# Altium PCB PCB1.PcbDoc
Units mm, origin at the board's own origin, x right, y up, seen from the top; angles counter-clockwise.
Board outline 129.99 x 106.33 mm, 2 copper layers (Top Layer, Bottom Layer), stack 1.561 mm thick; 77 components, 64 nets, 334 pads, 648 vias.
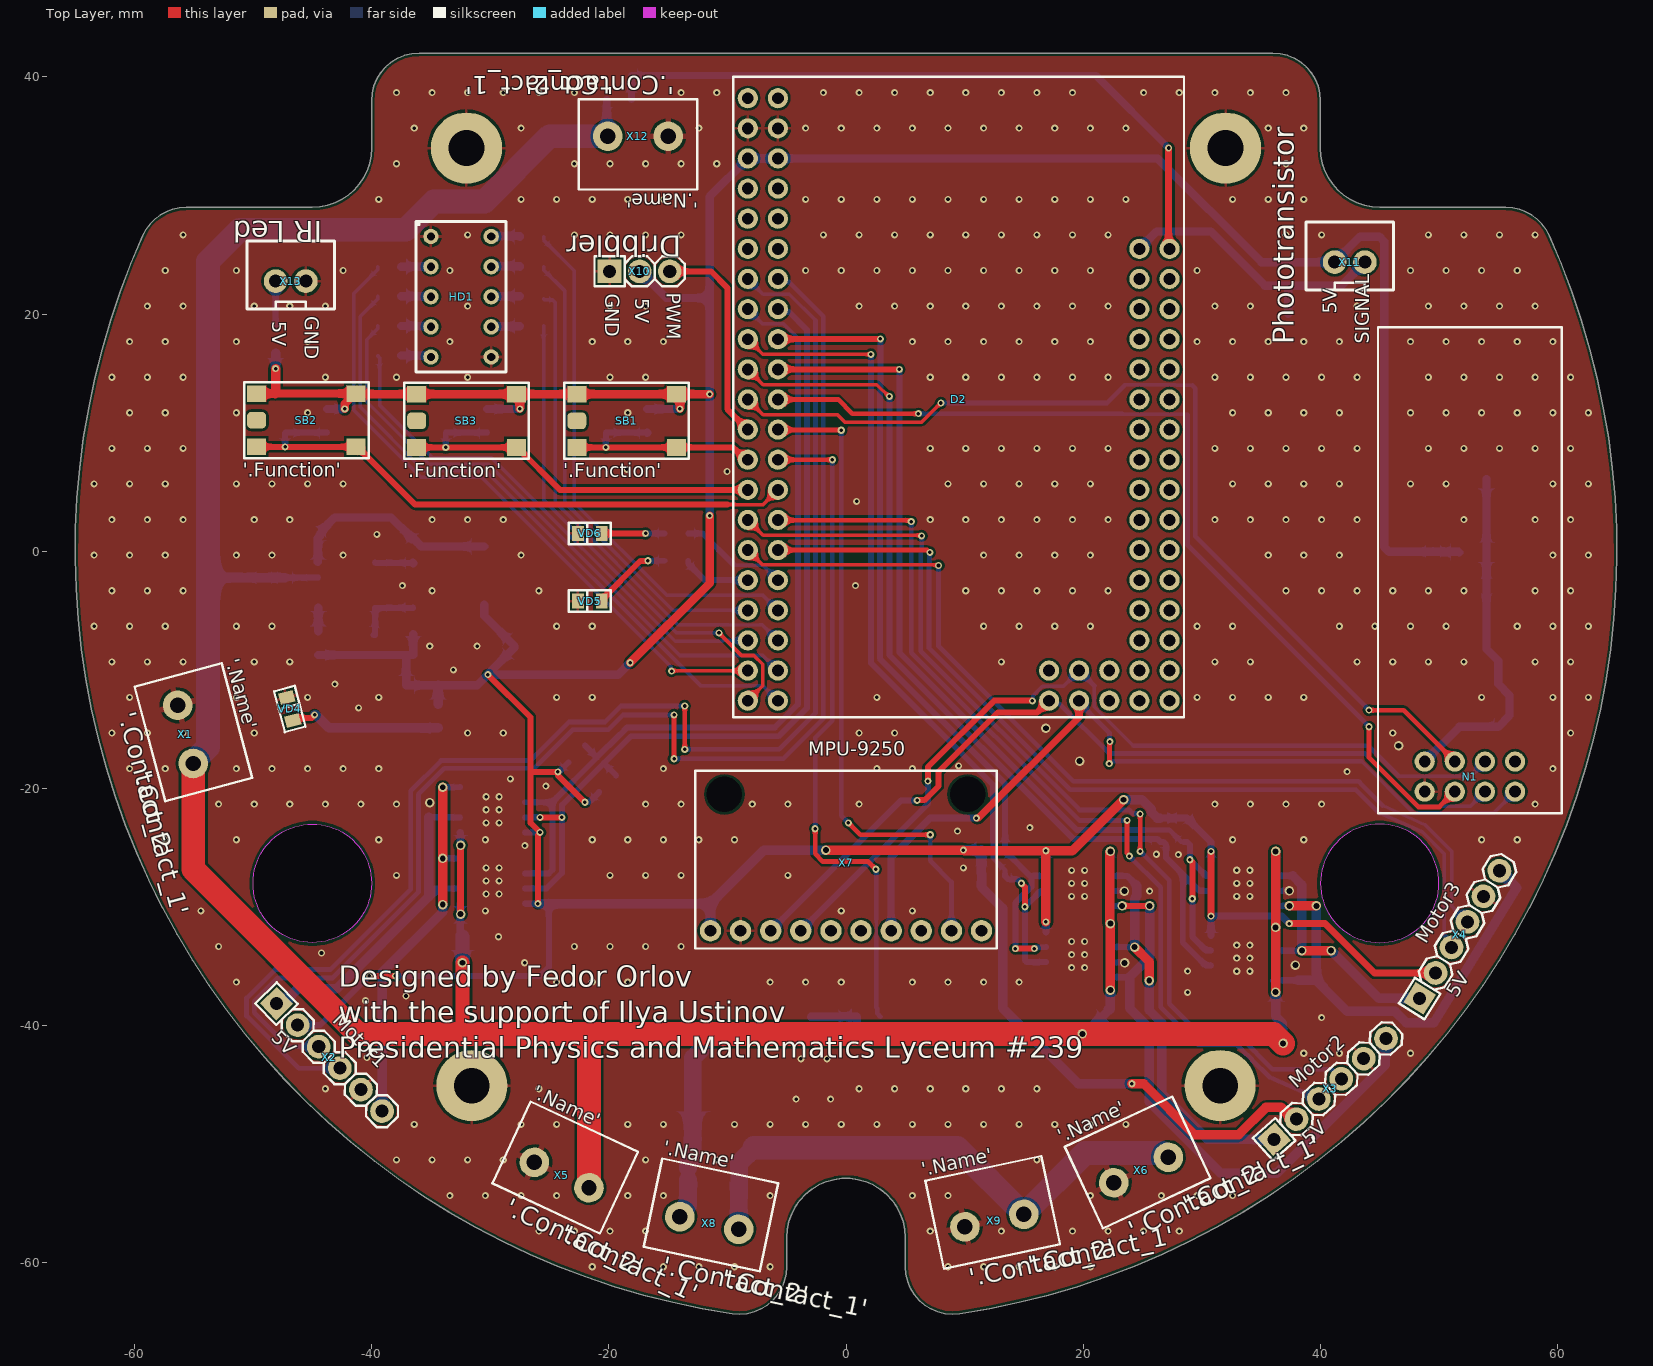
[diagram p0: Top Layer view]
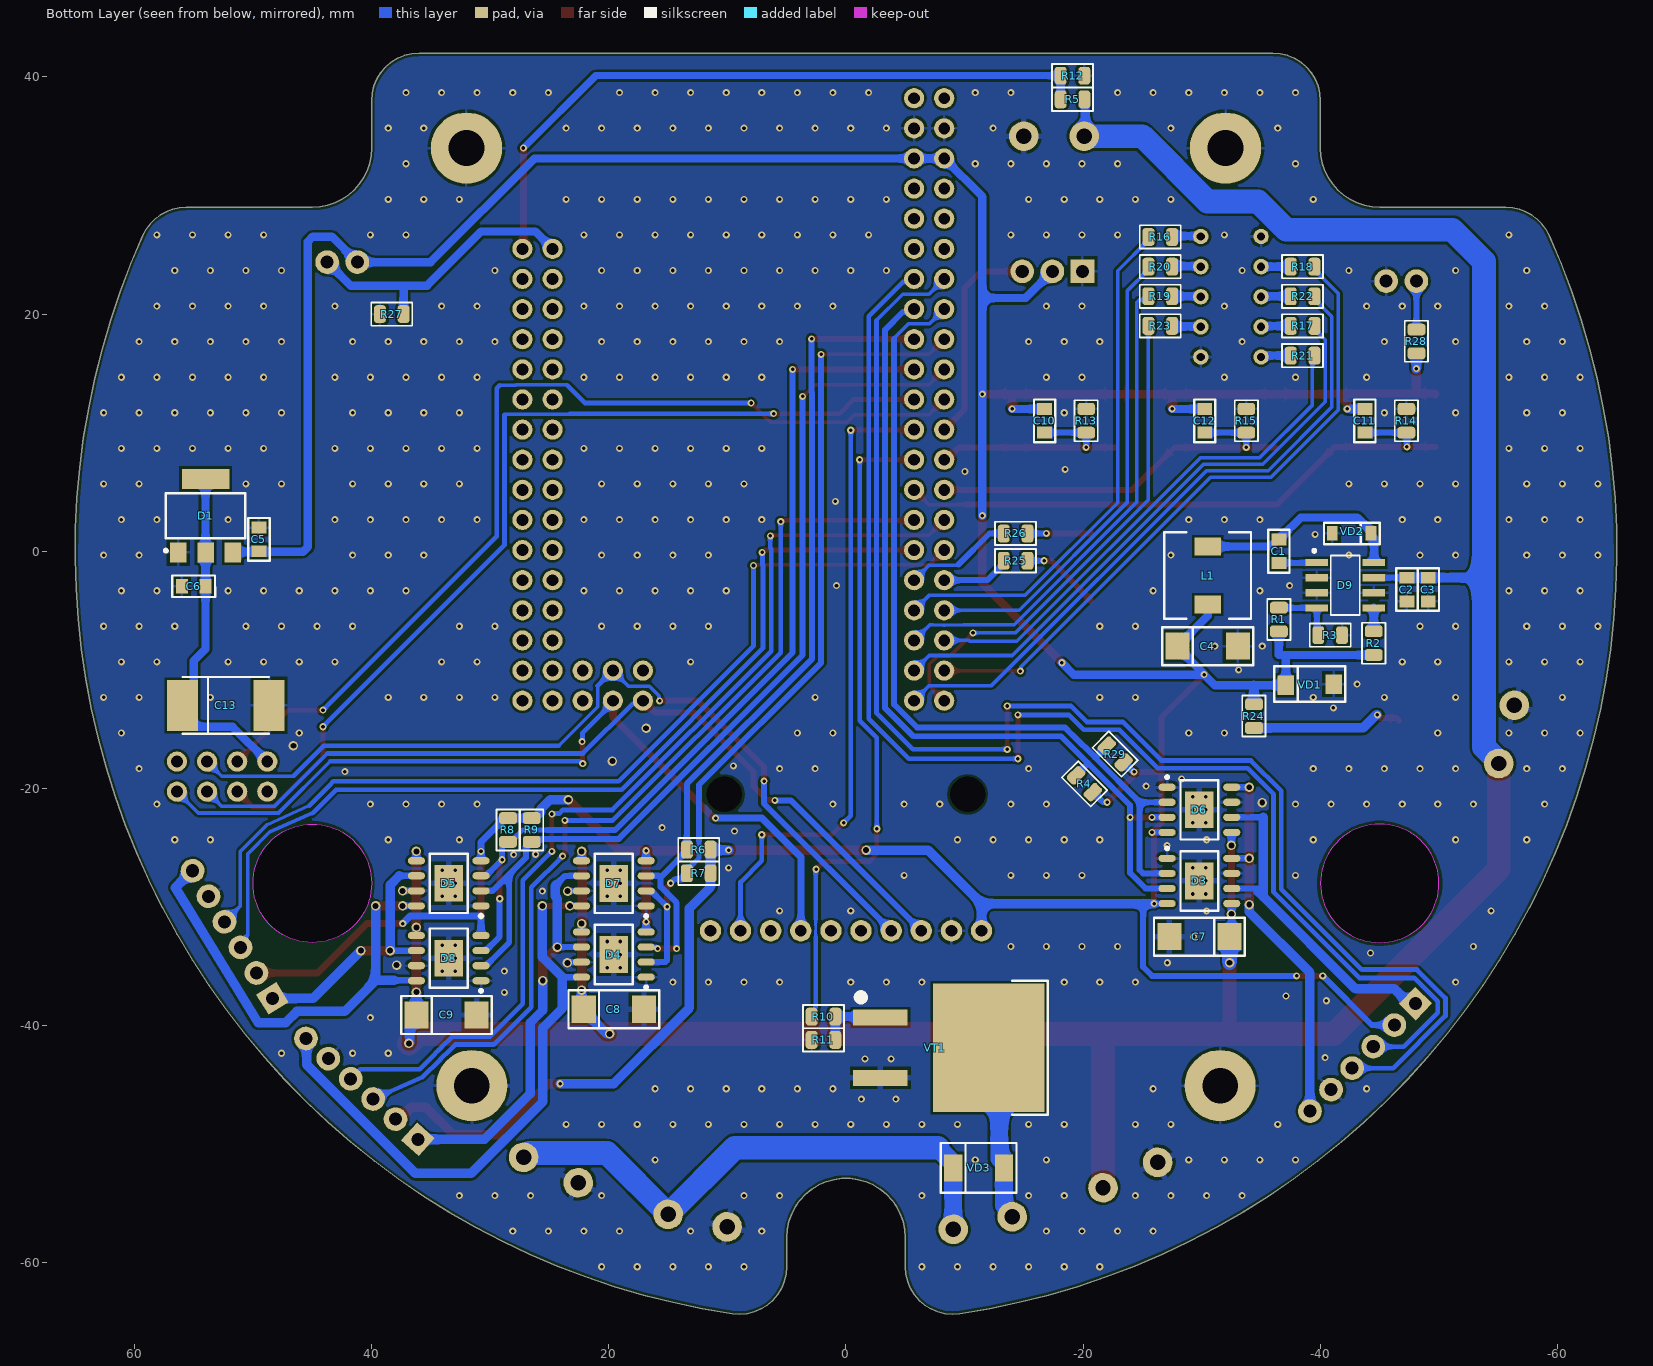
[diagram p1: Bottom Layer view, seen from below]
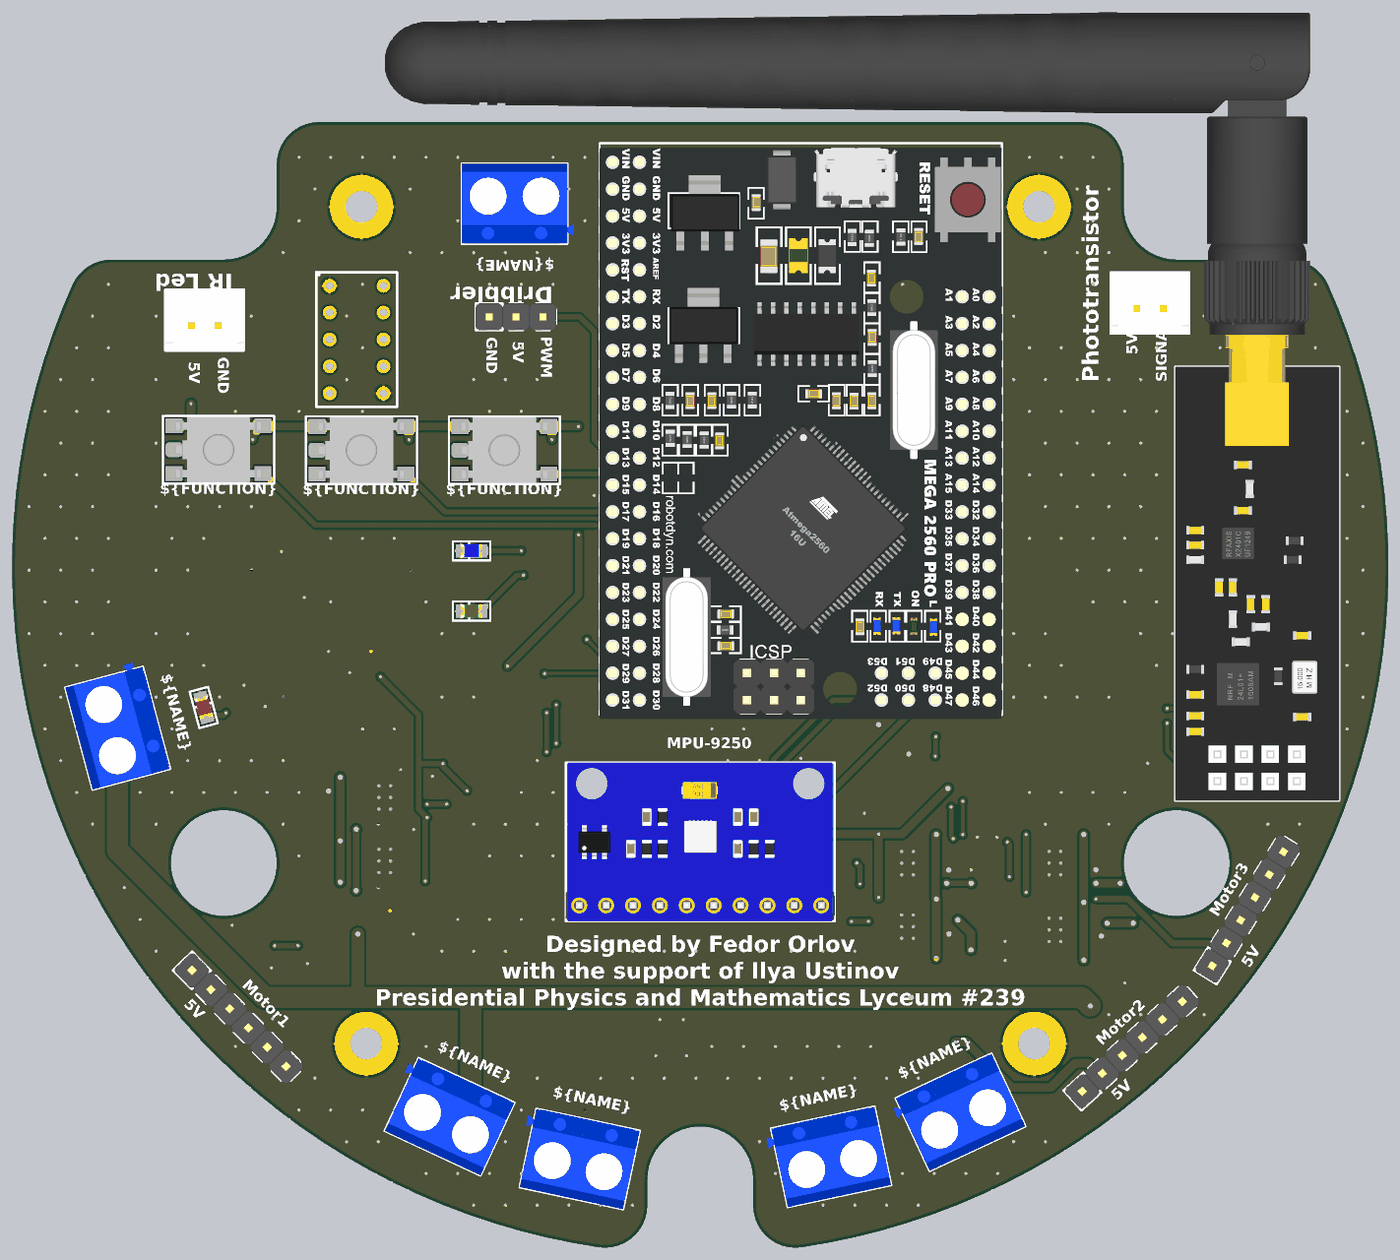
[diagram p2: 3D render of the assembled board from above, using the file's embedded part models]
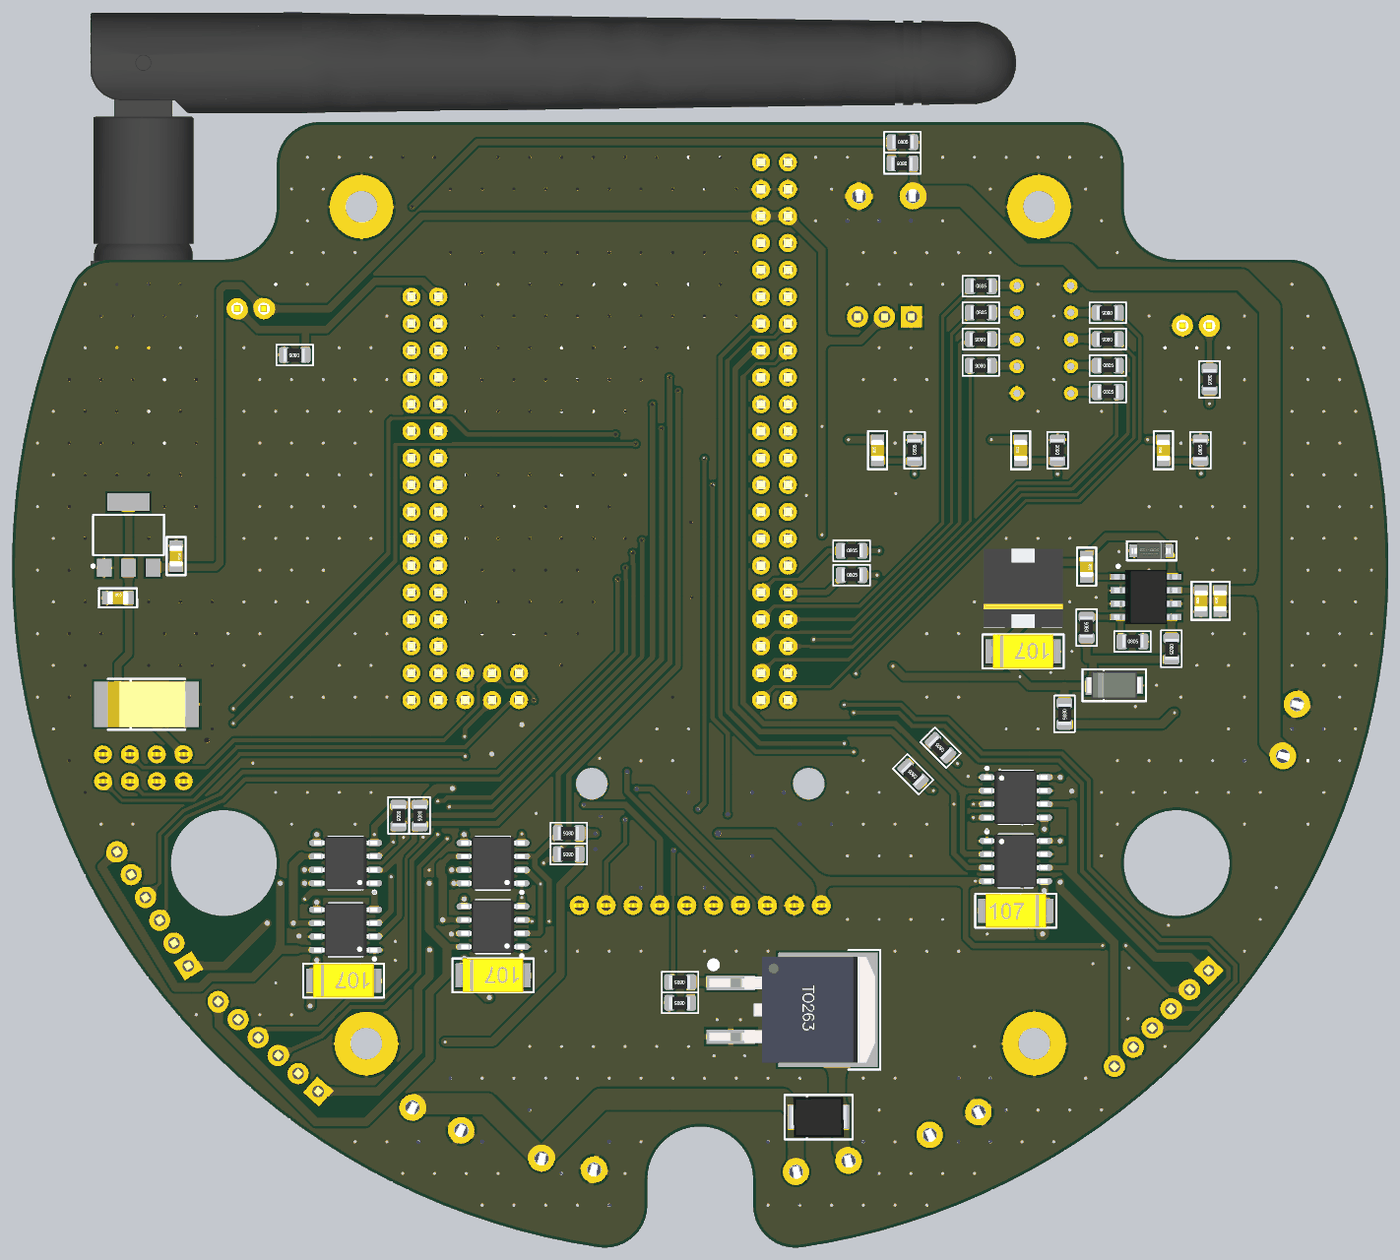
[diagram p3: 3D render of the assembled board from below, using the file's embedded part models]

## Layer stack, top to bottom
Top Solder: solder mask 0.0102, Solder Resist, Dk 3.5
Top Layer: signal copper 0.0356
Dielectric 1: dielectric 1.49, FR-4, Dk 4.8
Bottom Layer: signal copper 0.0356
Bottom Solder: solder mask 0.0102, Solder Resist, Dk 3.5

## Board outline
-41.757,-49.813 -39.77,-51.413 -37.722,-52.934 -35.615,-54.374 -33.454,-55.73 -31.241,-57 -28.98,-58.182 -26.675,-59.275 -24.328,-60.276 -21.943,-61.184 -19.525,-61.998 -17.077,-62.717 -14.603,-63.338 -12.106,-63.863 -9.59,-64.289 -8.967,-64.332 -8.345,-64.278 -7.739,-64.129 -7.164,-63.886 -6.633,-63.557 -6.16,-63.149 -5.756,-62.673 -5.432,-62.14 -5.194,-61.562 -5.049,-60.955 -5,-60.332 -5,-57.871 -4.953,-57.19 -4.815,-56.522 -4.586,-55.879 -4.272,-55.273 -3.879,-54.715 -3.413,-54.216 -2.883,-53.786 -2.3,-53.431 -1.674,-53.159 -1.017,-52.975 -0.341,-52.882 0.341,-52.882 1.017,-52.975 1.674,-53.159 2.3,-53.431 2.883,-53.786 3.413,-54.216 3.879,-54.715 4.272,-55.273 4.586,-55.879 4.815,-56.522 4.953,-57.19 5,-57.871 5,-60.332 5.049,-60.955 5.194,-61.562 5.431,-62.14 5.756,-62.673 6.16,-63.149 6.633,-63.557 7.164,-63.886 7.739,-64.129 8.345,-64.278 8.967,-64.332 9.59,-64.289 12.106,-63.863 14.603,-63.338 17.077,-62.717 19.525,-61.998 21.943,-61.184 24.328,-60.276 26.674,-59.275 28.98,-58.182 31.241,-57 33.454,-55.73 35.615,-54.374 37.722,-52.934 39.77,-51.413 41.757,-49.813 43.68,-48.136 45.535,-46.384 47.321,-44.562 49.033,-42.67 50.67,-40.713 52.229,-38.693 53.707,-36.614 55.103,-34.478 56.413,-32.289 57.637,-30.05 58.772,-27.765 59.816,-25.437 60.768,-23.07 61.627,-20.667 62.39,-18.233 63.058,-15.77 63.628,-13.283 64.1,-10.776 64.474,-8.252 64.748,-5.715 64.923,-3.17 64.997,-0.62 64.971,1.932 64.845,4.48 64.62,7.021 64.294,9.552 63.87,12.068 63.347,14.565 62.727,17.04 62.01,19.489 61.197,21.907 60.29,24.292 59.29,26.639 59.018,27.144 58.677,27.605 58.273,28.013 57.815,28.358 57.312,28.635 56.774,28.836 56.214,28.959 55.642,29 45,29 44.347,29.043 43.706,29.17 43.087,29.381 42.5,29.67 41.956,30.033 41.464,30.464 41.033,30.956 40.67,31.5 40.381,32.087 40.17,32.706 40.043,33.347 40,34 40,38 39.951,38.626 39.804,39.236 39.564,39.816 39.236,40.351 38.828,40.828 38.351,41.236 37.816,41.564 37.236,41.804 36.626,41.951 36,42 -36,42 -36.626,41.951 -37.236,41.804 -37.816,41.564 -38.351,41.236 -38.828,40.828 -39.236,40.351 -39.564,39.816 -39.804,39.236 -39.951,38.626 -40,38 -40,34 -40.043,33.347 -40.17,32.706 -40.381,32.087 -40.67,31.5 -41.033,30.956 -41.465,30.464 -41.956,30.033 -42.5,29.67 -43.087,29.381 -43.706,29.17 -44.347,29.043 -45,29 -55.642,29 -56.214,28.959 -56.775,28.836 -57.312,28.635 -57.815,28.358 -58.273,28.013 -58.677,27.605 -59.018,27.144 -59.29,26.639 -60.29,24.292 -61.197,21.907 -62.01,19.489 -62.727,17.04 -63.347,14.565 -63.87,12.068 -64.294,9.552 -64.62,7.021 -64.845,4.48 -64.971,1.932 -64.997,-0.62 -64.923,-3.17 -64.748,-5.715 -64.474,-8.252 -64.101,-10.776 -63.628,-13.283 -63.058,-15.77 -62.39,-18.233 -61.627,-20.667 -60.768,-23.07 -59.816,-25.437 -58.772,-27.765 -57.637,-30.05 -56.413,-32.289 -55.103,-34.478 -53.707,-36.614 -52.229,-38.693 -50.67,-40.713 -49.033,-42.67 -47.321,-44.562 -45.536,-46.384 -43.68,-48.136
cut-out: 40,-28 ccw(c45,-28) 45,-33 ccw(c45,-28) 50,-28 ccw(c45,-28) 45,-23 ccw(c45,-28)
cut-out: -45,-33 cw(c-45,-28) -50,-28 cw(c-45,-28) -45,-23 cw(c-45,-28) -40,-28 cw(c-45,-28)

## Design rules (kind name [scope] priority, off if disabled: settings)
BoardOutlineClearance [All] p1: gap=0.254 ignorepadtopadclearanceinfootprint=FALSE except(0: Arc-SplitContinuation Track-SplitContinuation SMDPad-SplitContinuation THPad-SplitContinuation Via-SplitContinuation Fill-SplitContinuation Poly-SplitContinuation Region-SplitContinuation Text-SplitContinuation)
Clearance Clearance_1 [InPolygon] p1: gap=0.2 ignorepadtopadclearanceinfootprint=FALSE
Clearance [All] p2: gap=0.15 ignorepadtopadclearanceinfootprint=FALSE
HoleSize [All] p1: absolutevalues=TRUE maxlimit=6.3 minlimit=0 maxpercent=80.000 minpercent=20.000
MinimumSolderMaskSliver [All] p1: minsoldermaskwidth=0.15
PolygonConnect PolygonConnect_Power [InPadClass('Power')] p1: thpad.connectstyle=Relief thpad.reliefconductorwidth=0.5 thpad.reliefentries=4 thpad.polygonreliefangle="90 Angle" thpad.airgapwidth=0.254 smdpad.connectstyle=Relief smdpad.reliefconductorwidth=0.5 smdpad.reliefentries=4 smdpad.polygonreliefangle="90 Angle" smdpad.airgapwidth=0.254 via.connectstyle=Direct via.reliefconductorwidth=0.254 via.reliefentries=4 via.polygonreliefangle="90 Angle" via.airgapwidth=0.254
PolygonConnect [All] p2: thpad.connectstyle=Relief thpad.reliefconductorwidth=0.254 thpad.reliefentries=4 thpad.polygonreliefangle="90 Angle" thpad.airgapwidth=0.254 smdpad.connectstyle=Relief smdpad.reliefconductorwidth=0.254 smdpad.reliefentries=4 smdpad.polygonreliefangle="90 Angle" smdpad.airgapwidth=0.254 via.connectstyle=Direct via.reliefconductorwidth=0.254 via.reliefentries=4 via.polygonreliefangle="90 Angle" via.airgapwidth=0.254
RoutingCorners [All] p1 off: cornerstyle=45-Degree minsetback=2.54 maxsetback=2.54
RoutingVias [All] p1: holewidth=0.3 width=0.6 viastyle="Through Hole" minholewidth=0.15 minwidth=0.25 maxholewidth=0.711 maxwidth=1.27
SilkToSolderMaskClearance [IsPad] p1: minsilkscreentomaskgap=0.15 clearancetoexposedcopper=TRUE
SolderMaskExpansion [All] p1: expansion=0.05 istentingtop=FALSE
UnRoutedNet [All] p1: checkbadconnections=TRUE
Width [All] p1: maxlimit=5 minlimit=0.2 preferedwidth=0.5
25 further rules are at their usual default settings.

## Classes and differential pairs
pad class Power: C7-2 C8-2 C9-2 D3-9 D4-9 D5-9 D6-9 D7-9 D8-9 VT1-1 VT1-2 VT1-3 X1-2 X5-2 X6-2 X9-2 X12-2

## Components (designator, comment, footprint, x,y, rotation, side; value= is the part's Value field where it differs from the comment)
C1 "0,1  µF" NPC0805 -36.5,0 r270 bottom
C2 "4,7  µF" NPC0805 -47.3,-3.23 r90 bottom
C3 "4,7  µF" NPC0805 -49.1,-3.23 r90 bottom
C4 "100  µF" "TANTAL CAPACITOR C" -30.5,-8 r180 bottom
C5 "1  µF" NPC0805 49.5,1 r270 bottom
C6 "4,7  µF" NPC0805 55,-2.952 r179.88 bottom
C7 "100  µF" "TANTAL CAPACITOR C" -29.8,-32.5 r0 bottom
C8 "100  µF" "TANTAL CAPACITOR C" 19.575,-38.616 r180 bottom
C9 "100  µF" "TANTAL CAPACITOR C" 33.685,-39.1 r180 bottom
C10 "1  µF" NPC0805 -16.75,11 r90 bottom
C11 "1  µF" NPC0805 -43.75,11 r90 bottom
C12 "1  µF" NPC0805 -30.25,11 r90 bottom
C13 "100 µF" "TANTAL CAPACITOR D" 52.3,-13 r180 bottom
D1 "LDL1117" SOT223_M 54,3 r90 bottom
D2 "ARDUINO MEGA PRO" "Arduino mega pro" 9.5,13 r270 top locked
D3 "DRV8870" "SOIC8 WITH THERMAL PAD" -29.8,-27.8 r180 bottom
D4 "DRV8870" "SOIC8 WITH THERMAL PAD" 19.575,-34.005 r0 bottom
D5 "DRV8870" "SOIC8 WITH THERMAL PAD" 33.5,-28 r0 bottom
D6 "DRV8870" "SOIC8 WITH THERMAL PAD" -29.8,-21.8 r180 bottom
D7 "DRV8870" "SOIC8 WITH THERMAL PAD" 19.575,-28.005 r0 bottom
D8 "DRV8870" "SOIC8 WITH THERMAL PAD" 33.5,-34.309 r0 bottom
D9 "TPS5420" SO8 -42.1,-2.865 r180 bottom
HD1 "HDSP-7801" HDSP-7801 -32.46,21.46 r0 top
L1 "33  µH" "IND: B82472G" -30.373,-1.923 r90 bottom
N1 "NRF24l01" NRF24l01 52.604,-19 r0 top locked
R1 "10 К" R0805 -36.5,-5.75 r270 bottom
R2 "10 К" R0805 -44.5,-7.75 r90 bottom
R3 "3.24 K" R0805 -40.825,-7.075 r0 bottom
R4 "10 К" R0805 -20.107,-19.607 r225 bottom
R5 "1.6K" R0805 -19.1,38.1 r180 bottom
R6 "10 К" R0805 12.416,-25.155 r180 bottom
R7 "10 К" R0805 12.416,-27.155 r180 bottom
R8 "10 К" R0805 28.5,-23.5 r90 bottom
R9 "10 К" R0805 26.5,-23.5 r90 bottom
R10 "100" R0805 1.9,-39.24 r180 bottom
R11 "10K" R0805 1.9,-41.2 r180 bottom
R12 "1K" R0805 -19.1,40.1 r0 bottom
R13 "10K" R0805 -20.25,11 r270 bottom
R14 "10K" R0805 -47.25,11 r270 bottom
R15 "10K" R0805 -33.75,11 r270 bottom
R16 "100" R0805 -26.5,26.5 r0 bottom
R17 "100" R0805 -38.5,19 r0 bottom
R18 "100" R0805 -38.5,24 r180 bottom
R19 "100" R0805 -26.5,21.5 r180 bottom
R20 "100" R0805 -26.5,24 r0 bottom
R21 "100" R0805 -38.5,16.5 r0 bottom
R22 "100" R0805 -38.5,21.5 r180 bottom
R23 "100" R0805 -26.5,19 r180 bottom
R24 "1K" R0805 -34.4,-13.9 r90 bottom
R25 "2.2K" R0805 -14.3,-0.8 r0 bottom
R26 "1K" R0805 -14.3,1.5 r0 bottom
R27 "1K" R0805 38.3,20 r180 bottom
R28 "100" R0805 -48.1,17.7 r90 bottom
R29 "10 К" R0805 -22.7,-17.1 r225 bottom
SB1 "" "1-1437565-6 WITH LABEL" -18.5,11 r0 top
SB2 "" "1-1437565-6 WITH LABEL" -45.5,11.048 r0 top
SB3 "" "1-1437565-6 WITH LABEL" -32,11 r0 top
VD1 "5V" DO-214AC -39.1,-11.2 r180 bottom
VD2 "" SOD123 -41,1.5 r180 bottom
VD3 "10BQ100" DO-214AA -11.179,-52 r180 bottom
VD4 "ON" "0805_LED _RED" -46.9,-13.3 r285 top
VD5 "" "0805_LED _GREEN" -21.6,-4.2 r0 top
VD6 "" "0805_LED _BLUE" -21.6,1.5 r0 top
VT1 "IRF2807STRLPBF" D2PAK -16.75,-36.46 r270 bottom
X1 "Battery" "KLS2-301-5.00 WITH LABEL" -53.126,-14.235 r285 top locked
X2 "Motor1" PLS-6 -43.569,-42.676 r314.47 top
X3 "Motor2" PLS-6 40.817,-45.332 r42 top
X4 "Motor3" PLS-6 51.731,-32.325 r58 top
X5 "OUT 12V" "KLS2-301-5.00 WITH LABEL" -23.244,-49.847 r335 top locked
X6 "IN 50V" "KLS2-301-5.00 WITH LABEL" 23.244,-49.847 r25 top locked
X7 "MPU-9250" MPU-9250 0,-26 r180 top locked
X8 "SOLENOID" "KLS2-301-5.00 WITH LABEL" -11.435,-53.798 r348 top locked
X9 "Capacitor" "KLS2-301-5.00 WITH LABEL" 11.435,-53.798 r12 top locked
X10 "Dribbler" PLS-3 -17.4,23.6 r0 top
X11 "phototransistor" "JST B2B-XH-A" 42.475,24.375 r0 top
X12 "12V DRIBBLER" "KLS2-301-5.00 WITH LABEL" -17.04,32.2 r180 top locked
X13 "IR Led" "JST B2B-XH-A" -46.82,22.775 r0 top

## Footprints (in the part's own frame and the unit in brackets; to place one, negate y for a bottom-side part, rotate by r counter-clockwise, add the part's x,y. Pads: shape width x height; smd on the part's side, far side on the other; paste and mask are expansions set on the pad)
"1-1437565-6 WITH LABEL" [mm] "Button, with label on top overlay"
  rect 1.6x1.4 smd mask+0.1: 1(-4.2,2.248) 1(4.2,2.248) 2(-4.2,-2.248) 2(4.2,-2.248)
  rrect50% 1.6x1.4 smd: 3(-4.2,0)
  silkscreen extent -5.25,-3.2 5.25,3.2, body extent -4,-3.1 4,3.1, height 3.1
"0805_LED _BLUE" [mm]
  rect 1x1.25 smd: 1(-1,0) 2(1,0)
  silkscreen extent -1.78,-0.9 1.78,0.9, body extent -1,-0.63 1,0.63, height 0.8
"0805_LED _GREEN" [mm]
  rect 1x1.25 smd: 1(-1,0) 2(1,0)
  silkscreen extent -1.78,-0.9 1.78,0.9, body extent -1,-0.63 1,0.63, height 0.8
"0805_LED _RED" [mm]
  rect 1x1.25 smd: 1(-1,0) 2(1,0)
  silkscreen extent -1.78,-0.9 1.78,0.9, body extent -1,-0.63 1,0.63, height 0.8
"Arduino mega pro" [mm]
  round 1.7 hole 1: 0(-15.04,-15.24) 1(-15.04,-17.78) 2(-12.5,-15.24) 3(-12.5,-17.78) 4(-9.96,-15.24) 5(-9.96,-17.78) 6(-7.42,-15.24) 7(-7.42,-17.78) 8(-4.88,-15.24) 9(-4.88,-17.78) 10(-2.34,-15.24) 11(-2.34,-17.78) 12(0.2,-15.24) 13(0.2,-17.78) 14(2.74,-15.24) 15(2.74,-17.78) 16(5.28,-15.24) 17(5.28,-17.78) 18(7.82,-15.24) 19(7.82,-17.78) 20(10.36,-15.24) 21(10.36,-17.78) 22(12.9,-15.24) 23(12.9,-17.78) 24(15.44,-15.24) 25(15.44,-17.78) 26(17.98,-15.24) 27(17.98,-17.78) 28(20.52,-15.24) 29(20.52,-17.78) 30(23.06,-15.24) 31(23.06,-17.78) 32(25.6,-15.24) 33(25.6,-17.78) 34(7.82,17.78) 35(7.82,15.24) 36(10.36,17.78) 37(10.36,15.24) 38(12.9,17.78) 39(12.9,15.24) 40(15.44,17.78) 41(15.44,15.24) 42(17.98,17.78) 43(17.98,15.24) 44(20.52,17.78) 45(20.52,15.24) 46(23.06,17.78) 47(23.06,15.24) 48(25.6,17.78) 49(25.6,15.24) 50(25.6,12.7) 51(23.06,12.7) 52(25.6,10.16) 53(23.06,10.16) 54(25.6,7.62) 55(23.06,7.62) 56(-12.5,17.78) 57(-12.5,15.24) 58(-9.96,17.78) 59(-9.96,15.24) 60(-7.42,17.78) 61(-7.42,15.24) 62(-4.88,17.78) 63(-4.88,15.24) 64(-2.34,17.78) 65(-2.34,15.24) 66(0.2,17.78) 67(0.2,15.24) 68(2.74,17.78) 69(2.74,15.24) 70(5.28,17.78) 71(5.28,15.24) 72(-25.2,-17.78) 72(-25.2,-15.24) 73(-20.12,-15.24) 73(-20.12,-17.78) 74(-17.58,-15.24) 74(-17.58,-17.78) 75(-22.66,-17.78) 75(-22.66,-15.24)
  silkscreen extent -27,-19 27,19, body extent -26.6,-19.05 27.4,19.05, height 16.17
D2PAK [mm]
  rrect0% 1.35x4.6 smd: 1(2.86,-13.85) 3(7.94,-13.85)
  rrect0% 10.8x9.4 smd: 2(5.4,-4.7)
  silkscreen extent -0.25,-15.8 11.05,0.25, body extent 0.4,-15.89 10.4,-0.22, height 4.78
DO-214AA [mm]
  rrect0% 1.52x2.3 smd: 1(-2.135,0) 2(2.135,0)
  silkscreen extent -3.2,-2.1 3.2,2.1, body extent -2.8,-1.9 2.8,1.9, height 2.4
DO-214AC [mm]
  rrect0% 1.4x1.64 smd: 1(-2.015,-0.1) 2(2.015,0)
  silkscreen extent -3,-1.5 3,1.5, body extent -2.6,-1.3 2.6,1.3, height 2.4
HDSP-7801 [mm]
  round 1.3 hole 0.7: 1(2.54,5.08) 2(-2.54,2.54) 3(2.54,2.54) 4(-2.54,0) 5(-2.54,5.08) 6(-2.54,-2.54) 7(2.54,0) 8(-2.54,-5.08) 9(2.54,-2.54) 10(2.54,-5.08)
  silkscreen extent -3.81,-6.35 3.81,6.35
"IND: B82472G" [mm]
  rrect0% 1.5x2.2 smd: 1(-2.577,-0.127) 2(2.323,-0.127)
  silkscreen extent -3.78,-3.78 3.52,3.52, body extent -3.87,-3.88 3.62,3.62, height 4.5
"JST B2B-XH-A" [mm]
  round 2 hole 1.1: 1(-1.27,0) 2(1.27,0)
  silkscreen extent -3.7,-2.35 3.7,3.4, body extent -3.68,-2.35 3.72,3.4, height 7
"KLS2-301-5.00 WITH LABEL" [mm] "Terminal block connector, 2 leads, 5mm pitch, with label on overlay"
  round 2.5 hole 1.3: 1(3.04,-2.8) 2(-2.04,-2.8)
  silkscreen extent -4.5,-5.9 5.5,1.7, body extent -5.1,-5.9 5.5,1.7, height 10
MPU-9250 [mm]
  round 0 hole 3: 0(10.25,-5.5) ""(-10.25,-5.5)
  round 1.8 hole 1: 1(11.43,6) 2(8.89,6) 3(6.35,6) 4(3.81,6) 5(1.27,6) 6(-1.27,6) 7(-3.81,6) 8(-6.35,6) 9(-8.89,6) 10(-11.43,6)
  silkscreen extent -12.7,-7.5 12.7,7.5, body extent -12.7,-7.5 12.73,7.5, height 14.7
NPC0805 [mm] "Non polar chip capacitor, size 0805"
  rect 1x1.25 smd: 1(-1,0) 2(1,0)
  silkscreen extent -1.8,-0.9 1.8,0.9, body extent -1,-0.62 1,0.63, height 0.78
NRF24l01 [mm]
  round 1.7 hole 1: 1(-3.81,-1.27) 2(-3.81,1.27) 3(-1.27,-1.27) 4(-1.27,1.27) 5(1.27,-1.27) 6(1.27,1.27) 7(3.81,-1.27) 8(3.81,1.27)
  silkscreen extent -7.75,-3.1 7.75,37.9, body extent -82.46,-3.1 7.75,71.34, height 23.24
PLS-3 [mm]
  rect 2x2 hole 1.1: 1(-2.54,0)
  round 2 hole 1.1: 2(0,0) 3(2.54,0)
  silkscreen extent -3.81,-1.27 3.81,1.27, body extent -3.81,-1.27 3.81,1.27, height 8.54
PLS-6 [mm]
  rect 2x2 hole 1.1: 1(-6.35,0)
  round 2 hole 1.1: 2(-3.81,0) 3(-1.27,0) 4(1.27,0) 5(3.81,0) 6(6.35,0)
  silkscreen extent -7.62,-1.27 7.62,1.27, body extent -7.62,-1.27 7.62,1.27, height 8.54
R0805 [mm]
  rrect50% 1x1.5 smd: 1(-1,0) 2(1,0)
  silkscreen extent -1.73,-0.98 1.73,0.98, body extent -1.05,-0.65 0.95,0.6, height 0.57
SO8 [mm]
  rect 1.9x0.6 smd: 1(-2.4,1.905) 2(-2.4,0.635) 3(-2.4,-0.635) 4(-2.4,-1.905) 5(2.4,-1.905) 6(2.4,-0.635) 7(2.4,0.635) 8(2.4,1.905)
  silkscreen extent -2.74,-2.5 1.23,3.02, body extent -3,-2.54 3,2.54, height 1.7
SOD123 [mm]
  rect 0.91x1.22 smd: 1(3.275,0) 2(0,0)
  round 0.5 on Mech1: 4(3,0.4)
  silkscreen extent -0.7,-0.9 4,0.9, body extent -0.25,-0.8 3.45,0.8, height 1.25
"SOIC8 WITH THERMAL PAD" [mm] "SOIC, 8 leads, with thermal pad"